# Altium PCB ultra.PcbDoc (part 6 of 9)
Units mm, origin at the board's own origin, x right, y up, seen from the top; angles counter-clockwise.
Board outline 210 x 210 mm, 2 copper layers (Top Layer, Bottom Layer), stack 1.591 mm thick; 722 components, 1083 nets, 2232 pads, 1540 vias.
Unrouted connection lines stored in the file: 21.
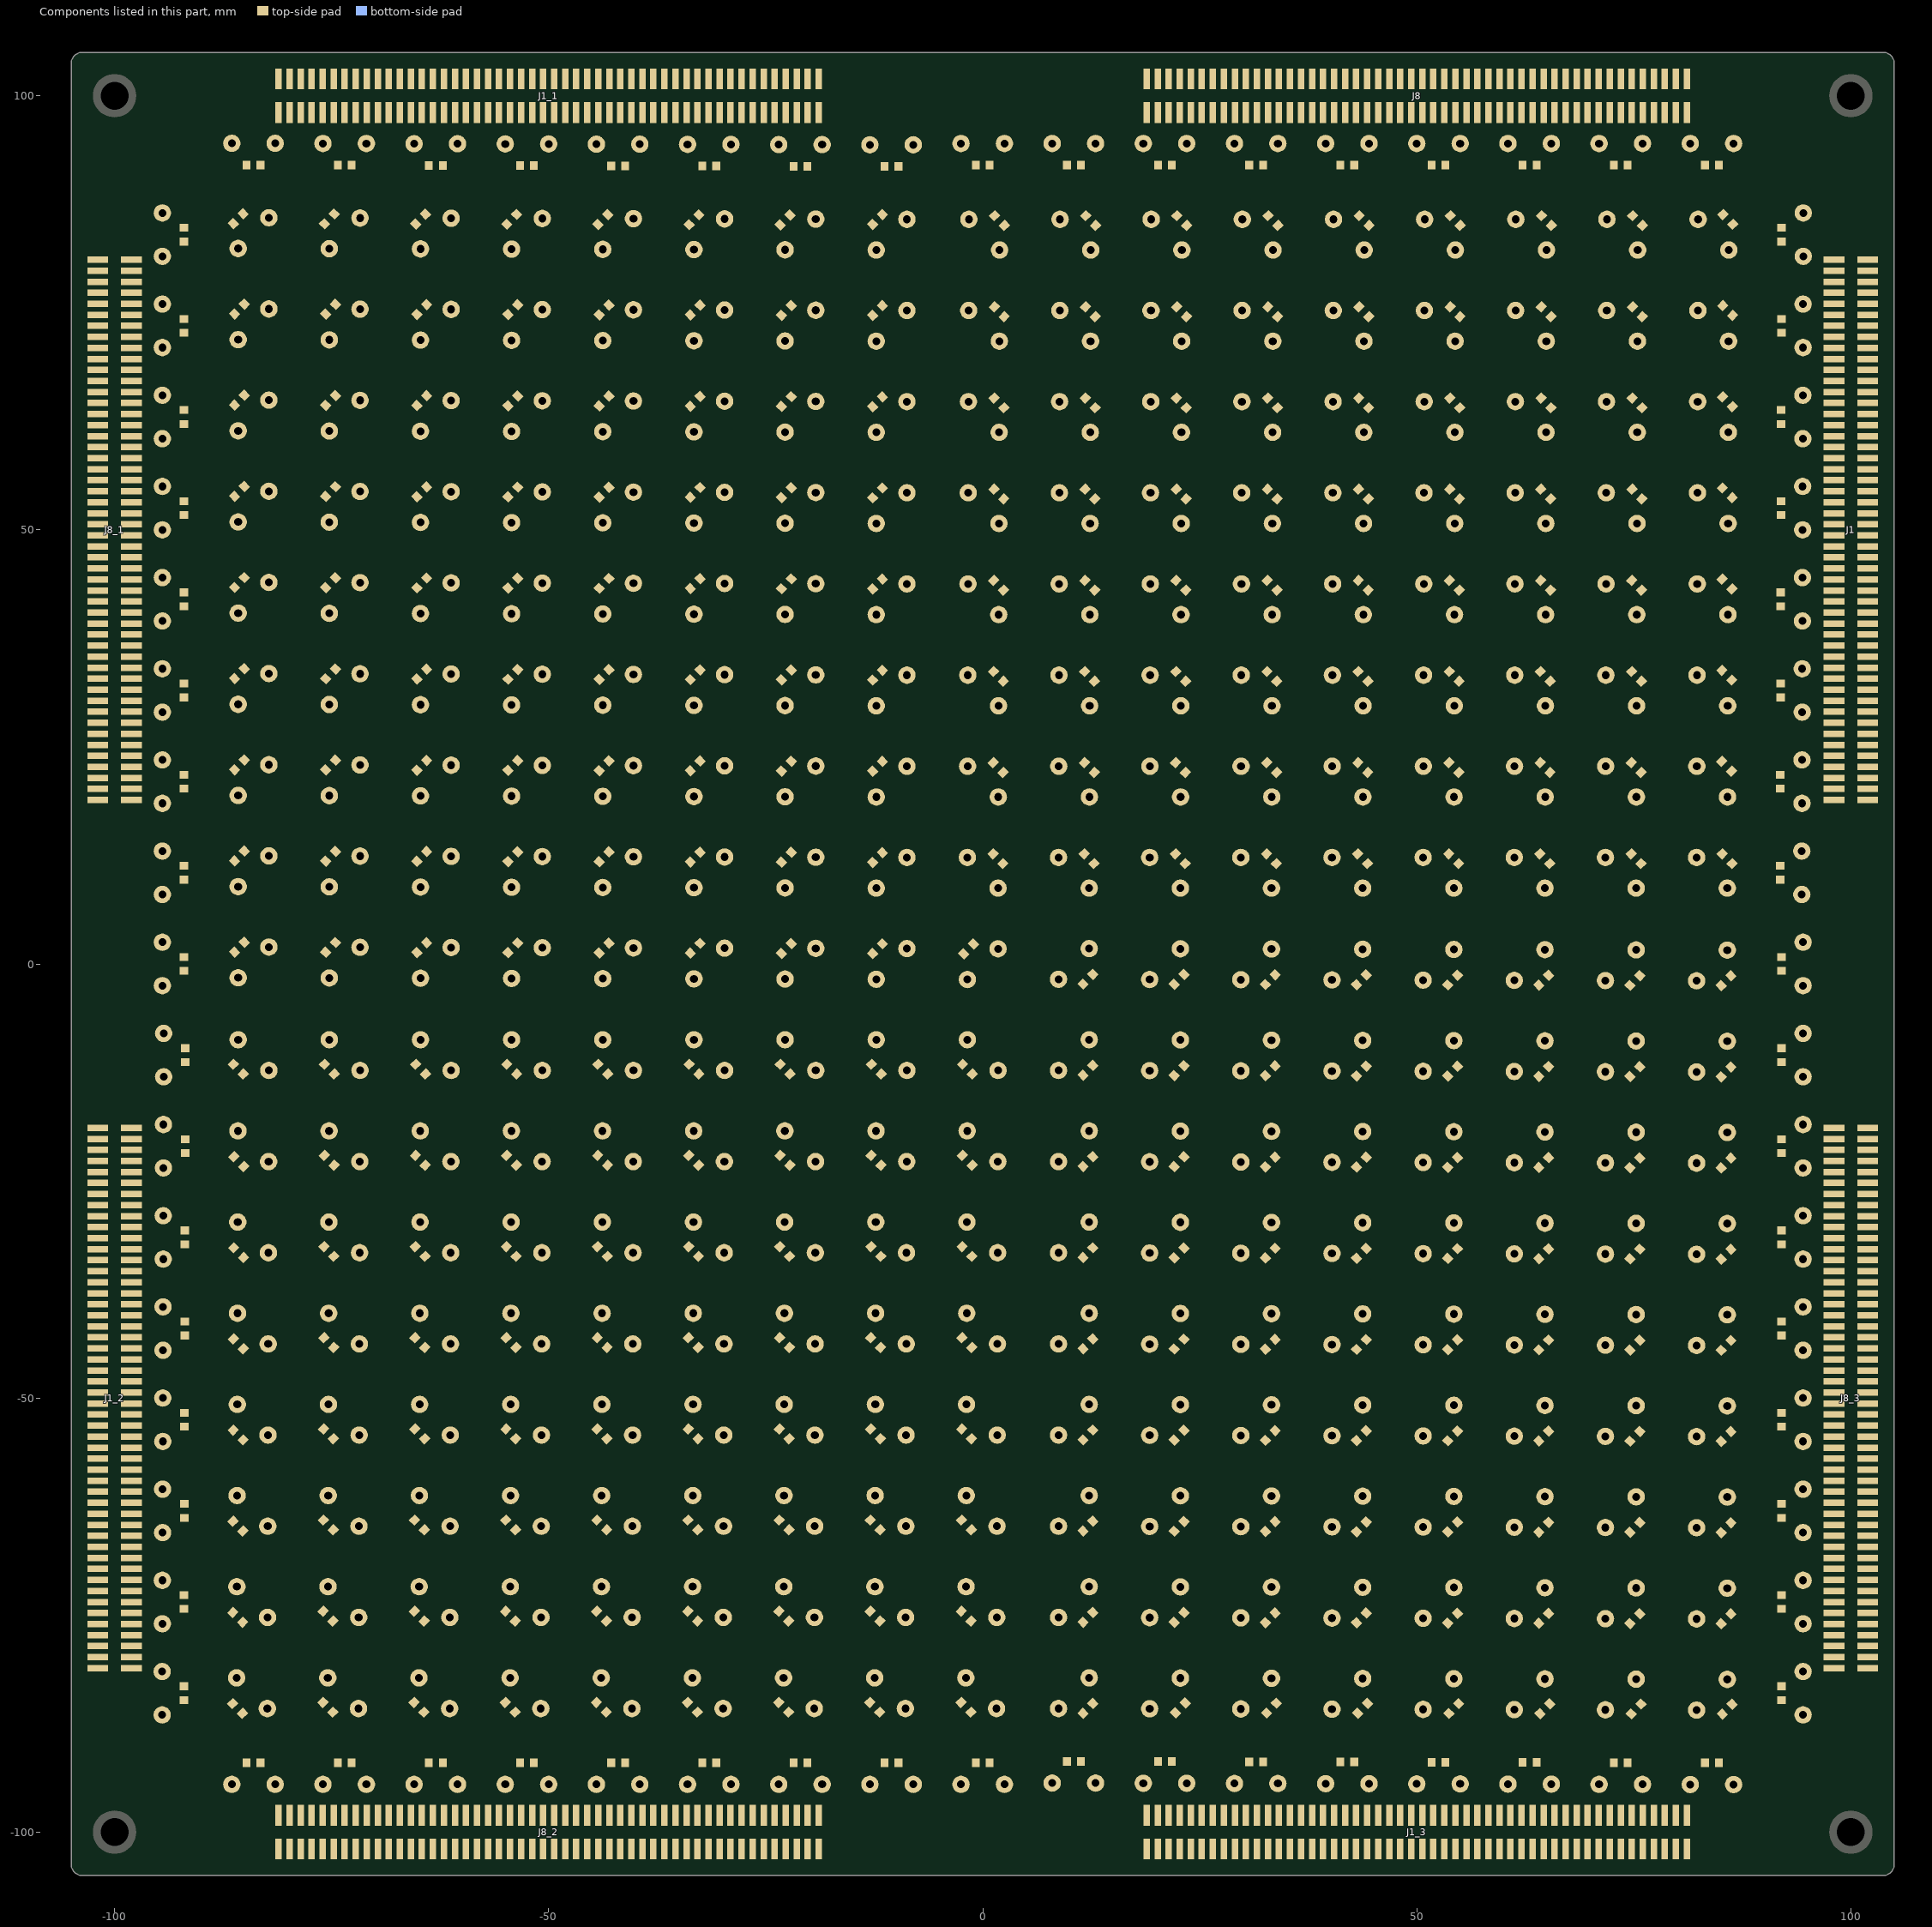
[diagram p6: the components of this part, seen from the top]

## Via types
v1: diameter 0.6, hole 0.3, Top Layer to Bottom Layer, tented both sides, 784 vias
v2: diameter 0.8, hole 0.4, Top Layer to Bottom Layer, tented both sides, 756 vias

## Nets (pads, with @x,y where several pads share a name; then routed paths per layer and width w, separated by ;. In a path a pad name is that pad's centre, name@x,y a point inside that pad or via, vN(x,y) a via of type N, cw(c..) or ccw(c..) an arc to the next point about the centre after c; other vN are vias at no path point) (continued)
copper on no net: (continued)
  Top Layer w0.5: v2(-103.962,-30.455) -103.937,-30.429 -103.48,-30.429 -103.365,-30.315 -101.95,-30.315 ; v2(-103.683,-70.307) -103.632,-70.358 -103.632,-68.605 -103.442,-68.415 -101.95,-68.415 ; v2(-103.454,-58.242) -103.441,-58.255 -101.95,-58.255 ; v2(-102.667,-84.43) -102.667,-82.534 -103.55,-81.651 -103.55,-79.309 -103.316,-79.075 -103.193,-79.075 -102.693,-78.575 -101.95,-78.575 ; -101.95,-77.305 -100.241,-77.305 -100.203,-77.343 -100.051,-77.343 v2(-100.025,-77.318) ; -101.95,-76.035 -100.063,-76.035 v2(-100.051,-76.048) ; -101.95,-74.765 -99.936,-74.765 -99.974,-74.727 v2(-100.051,-74.727) ; -101.95,-73.495 -100.089,-73.495 v2(-100.051,-73.533) ; -101.95,-72.225 -100.165,-72.225 -100.076,-72.314 v2(-100.051,-72.314) ; -101.95,-70.955 -100.139,-70.955 -100.101,-70.993 v2(-100.025,-70.993) ; -101.95,-69.685 -100.876,-69.685 -100.609,-69.952 -99.873,-69.952 v2(-99.873,-70.028) ; -101.95,-67.145 -101.206,-67.145 -100.706,-66.645 -100.584,-66.645 -100.386,-66.446 v2(-100.152,-66.446) ; -101.95,-65.875 -101.054,-65.875 -100.635,-65.456 -99.822,-65.456 v2(-99.822,-65.405) ; -101.95,-64.605 -100.114,-64.605 -100.025,-64.516 v2(-100.025,-64.287) ; -101.95,-63.335 -100.063,-63.335 v2(-100.051,-63.322) ; -101.95,-62.065 -99.987,-62.065 v2(-99.974,-62.078) ; -101.95,-60.795 -100.139,-60.795 v2(-100.051,-60.884) ; -101.95,-59.525 -100.089,-59.525 -99.949,-59.665 v2(-99.949,-59.919) ; -101.95,-56.985 -100.8,-56.985 v2(-99.974,-56.159) ; -101.95,-54.445 -100.089,-54.445 -100.051,-54.483 v2(-99.949,-54.381) ; -101.95,-53.175 -100.038,-53.175 v2(-100,-53.137) ; -101.95,-51.905 -99.987,-51.905 v2(-99.974,-51.892) ; -101.95,-50.635 -100.063,-50.635 v2(-100.025,-50.673) ; -101.95,-49.365 -102.45,-49.865 -103.316,-49.865 -104.496,-51.045 -104.496,-83.922 -98.766,-89.652 -88.991,-89.652 v2(-87.655,-88.316) ; -101.95,-48.095 -100.063,-48.095 v2(-100.051,-48.108) ; -101.95,-46.825 -99.962,-46.825 -100.025,-46.889 v2(-100.025,-47.117) ; -101.95,-45.555 -100.012,-45.555 -99.974,-45.517 v2(-99.974,-45.136) ; -101.95,-44.285 -100.089,-44.285 -100.025,-44.221 v2(-100.025,-43.917) ; -101.95,-43.015 -99.987,-43.015 v2(-99.924,-42.951) ; -101.95,-39.205 -100.495,-39.205 -99.974,-38.684 v2(-99.974,-38.786) ; -101.95,-37.935 -100.394,-37.935 -100.203,-37.744 -99.974,-37.744 v2(-99.924,-37.795) ; -101.95,-36.665 -100.114,-36.665 v2(-99.949,-36.83) ; -101.95,-35.395 -100.19,-35.395 -100.127,-35.331 -99.974,-35.484 v2(-99.974,-35.865) ; -101.95,-34.125 -100.165,-34.125 -100.101,-34.188 v2(-100.101,-34.011) ; -101.95,-32.855 -100.038,-32.855 v2(-100,-32.893) ; -101.95,-31.585 -100.343,-31.585 -100.279,-31.648 -100,-31.648 v2(-99.974,-31.623) ; -101.95,-29.045 -100.419,-29.045 -100.305,-29.159 -100.076,-29.159 v2(-100.051,-29.134) ; -101.95,-27.775 -100.012,-27.775 v2(-100,-27.788) ; -101.95,-26.505 -100.089,-26.505 v2(-100.076,-26.492) ; -101.95,-25.235 -100.114,-25.235 v2(-99.974,-25.095) ; -101.95,-23.965 -100.089,-23.965 -100,-23.876 -100.025,-23.851 v2(-100.025,-23.825) ; -101.95,22.695 -100.775,22.695 -100.35,22.27 -100.35,3.297 -95.085,-1.968 ; -101.95,30.315 -101.283,30.315 v2(-101.27,30.302) ; -101.95,32.855 -100.267,32.855 -100.178,32.766 -100.152,32.766 v2(-100,32.918) ; -101.95,34.125 -100.266,34.125 -100.254,34.138 -100,34.138 v2(-99.974,34.112) ; -101.95,35.395 -100.063,35.395 v2(-100.051,35.382) ; -101.95,36.665 -100.012,36.665 v2(-100,36.678) ; -101.95,37.935 -100.19,37.935 v2(-100.076,37.821) ; -101.95,39.205 -100.038,39.205 v2(-100.025,39.218) ; -101.95,43.015 -100.14,43.015 -100.127,43.002 -99.949,43.002 v2(-99.924,43.028) ; -101.95,44.285 -100.038,44.285 -100.025,44.298 v2(-100.025,44.628) ; -101.95,45.555 -100.292,45.555 -100.203,45.644 v2(-100.076,45.644) ; -101.95,46.825 -100.038,46.825 v2(-99.974,46.888) ; -101.95,48.095 -101.155,48.095 v2(-101.143,48.108) ; -101.95,49.365 -100.292,49.365 v2(-100.254,49.403) ; -101.95,50.635 -100.927,50.635 -100.813,50.521 -100.813,50.648 v2(-100.762,50.597) ; -101.95,51.905 -101.283,51.905 v2(-101.244,51.867) ; -101.95,54.445 -100.165,54.445 -100.152,54.432 -100.051,54.534 v2(-100.051,54.585) ; -101.95,55.715 -100.241,55.715 -100.228,55.702 -100.101,55.702 v2(-100.051,55.753) ; -101.95,56.985 -100.139,56.985 -100.127,56.998 v2(-100.178,56.998) ; -101.95,58.255 -100.216,58.255 -100.051,58.09 v2(-100.051,58.039) ; -101.95,59.525 -100.012,59.525 v2(-100,59.538) ; -101.95,60.795 -100.165,60.795 v2(-100.127,60.833) ; -101.95,62.065 -100.063,62.065 v2(-100.051,62.052) ; -101.95,63.335 -100.063,63.335 -100,63.398 v2(-100,63.652) ; -101.95,64.605 -100.038,64.605 v2(-100,64.643) ; -101.95,65.875 -100.241,65.875 -100.203,65.913 v2(-100.051,65.913) ; -101.95,67.145 -100.114,67.145 -100.076,67.183 v2(-100.076,67.513) ; -101.95,68.415 -100.089,68.415 -100.076,68.402 -100.025,68.453 v2(-100.025,68.529) ; -101.95,69.685 -100.139,69.685 v2(-100.076,69.748) ; -101.95,70.955 -100.089,70.955 v2(-100.025,71.018) ; -101.95,72.225 -100.038,72.225 v2(-100,72.263) ; -101.95,73.495 -100.368,73.495 -99.898,73.965 v2(-99.847,73.965) ; -101.95,74.765 -100.851,74.765 v2(-100.051,75.565) ; -101.95,76.035 -100.952,76.035 -99.974,77.013 v2(-99.974,77.902) ; -101.95,77.305 -103.111,77.305 -103.55,77.744 -103.55,81.651 -97.301,87.9 -93.158,87.9 -91.008,85.75 -91.008,84.125 -82.042,75.159 ; -101.95,78.575 -100.851,78.575 -100.3,79.126 -100.3,81.92 -97.917,84.303 v2(-95.834,84.303) ; -101.295,-41.681 v2(-100.025,-41.681) ; v2(-100.203,-69.063) -99.555,-68.415 -98.05,-68.415 ; v2(-100.178,-57.785) -99.746,-58.217 -98.05,-58.217 ; v2(-99.974,28.854) -99.784,29.045 -98.05,29.045 ; v2(-99.924,31.572) -98.063,31.572 -98.05,31.585 ; v2(-99.898,52.857) -99.898,53.137 -99.86,53.175 -98.05,53.175 ; -98.05,-78.575 -99.555,-78.575 -99.568,-78.562 -99.847,-78.842 -99.847,-86.106 -96.952,-89.002 -90.17,-89.002 -86.246,-85.077 ; -98.05,-77.305 -96.685,-77.305 -91.64,-82.35 -91.359,-82.35 -89.864,-83.845 -81.788,-83.845 -76.098,-78.156 -76.098,-75.006 ; -98.05,-76.035 -97.015,-76.035 -92.583,-80.467 -85.728,-80.467 -84.445,-81.75 -84.445,-81.854 -84.419,-81.879 -84.316,-81.879 -84.127,-82.068 -84.127,-82.109 -83.278,-82.959 -82.076,-82.959 -78.395,-79.277 -78.395,-75.123 -76.756,-73.485 -75.364,-73.485 -75.336,-73.457 -74.905,-73.457 -65.476,-64.028 ; -98.05,-74.765 -98.05,-74.6 -93.65,-74.6 -88.432,-79.817 -85.459,-79.817 -83.477,-81.799 -83.477,-81.84 -83.008,-82.309 -82.346,-82.309 -79.045,-79.008 -79.045,-74.854 -77.067,-72.876 -77.067,-71.401 -75.998,-70.332 -72.923,-70.332 -66.52,-63.929 -66.52,-63.926 -65.459,-62.865 -64.262,-62.865 -55.105,-53.708 ; -98.05,-73.495 -95.39,-73.495 v2(-95.377,-73.508) ; -98.05,-72.225 -98.05,-72.4 -94.986,-72.4 v2(-94.336,-73.05) ; -98.05,-70.955 -96.609,-70.955 -96.241,-71.323 v2(-96.241,-71.577) ; -98.05,-69.685 -98.05,-69.6 -90.115,-69.6 -86.462,-73.254 -82.906,-73.254 v2(-81.407,-71.755) ; -98.05,-67.145 -96.837,-67.145 -95.174,-68.809 -89.332,-68.809 v2(-87.986,-70.155) ; -98.05,-65.875 -97.091,-65.875 -94.818,-68.148 -86.432,-68.148 -86.233,-68.348 -80.184,-68.348 -76.162,-64.325 ; -98.05,-64.605 -97.184,-64.605 -96.45,-65.339 -96.45,-65.505 -94.457,-67.498 -86.163,-67.498 -85.964,-67.698 -80.931,-67.698 -76.175,-62.941 -72.542,-62.941 -65.638,-56.037 -65.638,-53.556 ; -98.05,-63.335 -94.577,-63.335 -91.064,-66.848 -85.894,-66.848 -85.694,-67.048 -81.201,-67.048 -77.942,-63.79 -77.942,-61.802 -75.973,-59.832 -73.045,-59.832 -65.697,-52.485 -63.153,-52.485 -54.94,-44.272 -54.94,-43.561 ; -98.05,-62.065 -96.38,-62.065 v2(-96.19,-61.874) ; -98.05,-60.795 -96.406,-60.795 v2(-96.393,-60.808) ; -98.05,-59.525 -95.48,-59.525 -95.055,-59.1 -93.895,-59.1 -93.191,-59.804 -86.5,-59.804 -86.473,-59.832 -85.313,-59.832 -84.137,-61.008 -84.137,-61.063 -83.811,-61.39 -80.959,-61.39 -78.102,-58.532 -73.583,-58.532 -66.918,-51.867 -66.918,-49.883 -65.28,-48.245 -60.751,-48.245 -56.886,-44.379 -56.886,-39.876 -55.192,-38.182 -52.787,-38.182 -45.218,-30.613 -45.218,-29.152 -44.398,-28.332 -41.515,-28.332 -34.747,-21.565 -34.747,-18.707 -33.873,-17.832 -29.542,-17.832 -23.294,-11.585 ; -98.05,-56.985 -96.456,-56.985 -95.606,-57.836 -94.234,-57.836 -92.915,-59.154 -85.071,-59.154 -83.494,-60.731 -83.342,-60.579 v2(-83.337,-60.579) ; -98.05,-55.715 -96.685,-55.715 -95.214,-57.186 -85.608,-57.186 -84.341,-55.918 -79.983,-55.918 -79.971,-55.931 -78.207,-55.931 -76.048,-53.772 ; -98.05,-54.445 -95.875,-54.445 -95.85,-54.47 -95.85,-55.58 -94.94,-56.49 -91.211,-56.49 -86.94,-52.218 -72.208,-52.218 -65.697,-45.707 -65.697,-43.307 ; -98.05,-53.175 -95.524,-53.175 -95.299,-52.95 -94.276,-52.95 -93.345,-52.019 -93.345,-52.095 v2(-93.396,-52.146) ; -98.05,-51.905 -96.431,-51.905 -96.139,-51.613 -96.139,-51.714 v2(-96.215,-51.791) ; -98.05,-50.635 -97.065,-50.635 -95.03,-48.6 -93.87,-48.6 -91.721,-50.749 -91.184,-50.749 -90.976,-50.957 -88.072,-50.957 -86.448,-49.332 -85.288,-49.332 -84.468,-50.152 -84.468,-50.303 -83.203,-51.568 -78.148,-51.568 -76.975,-50.395 -76.975,-50.254 -74.155,-47.434 -74.155,-45.897 -73.521,-45.263 -70.667,-45.263 -66.243,-40.838 -66.243,-39.652 -62.201,-35.611 -60.049,-35.611 -55.718,-31.28 -55.718,-29.152 -50.733,-24.168 -50.177,-24.168 -49.357,-23.348 -49.357,-22.817 -44.373,-17.832 -40.311,-17.832 -33.655,-11.176 ; -98.05,-49.365 -96.714,-49.365 -95.299,-47.95 -93.601,-47.95 -91.452,-50.099 -90.915,-50.099 -90.707,-50.307 -88.342,-50.307 -86.717,-48.682 -85.019,-48.682 -83.818,-49.883 -83.818,-50.033 -82.933,-50.918 -79.874,-50.918 v2(-79.045,-50.089) ; -98.05,-48.095 -96.363,-48.095 -95.568,-47.3 -93.332,-47.3 -91.182,-49.449 -90.646,-49.449 -90.438,-49.657 -88.611,-49.657 -86.986,-48.032 -84.749,-48.032 -83.168,-49.614 -83.168,-49.764 -82.664,-50.268 -80.143,-50.268 -79.845,-49.97 -79.845,-49.757 -79.376,-49.289 -78.713,-49.289 -78.245,-49.757 -78.245,-49.954 -78.135,-50.063 v2(-77.775,-50.063) ; -98.05,-46.825 -97.875,-46.65 -92.421,-46.65 -88.677,-42.906 -88.677,-41.087 -85.589,-37.998 -80.924,-37.998 -75.882,-43.041 ; -98.05,-45.555 -97.606,-45.999 -92.689,-45.999 -89.327,-42.637 -89.327,-40.818 -85.797,-37.287 -81.294,-37.287 -79.148,-35.141 -78.485,-35.141 -78.127,-35.499 -68.138,-35.499 -65.284,-32.645 ; -98.05,-44.285 -96.19,-44.285 -95.005,-43.1 -93.141,-43.1 -92.591,-43.65 -91.259,-43.65 -89.977,-42.368 -89.977,-40.548 -86.066,-36.637 -81.563,-36.637 -79.417,-34.491 -78.216,-34.491 -77.858,-34.849 -68.868,-34.849 -65.286,-31.267 -64.135,-31.267 -55.143,-22.276 ; -98.05,-43.015 -95.839,-43.015 -94.277,-41.453 -93.98,-41.453 -92.812,-40.284 v2(-92.812,-40.259) ; -98.05,-41.745 -96.152,-41.745 v2(-96.114,-41.707) ; -98.05,-40.475 -97.184,-40.475 -96.45,-39.741 -96.45,-39.545 -95.005,-38.1 -90.145,-38.1 v2(-89.992,-38.252) ; -98.05,-39.205 -97.092,-39.205 -95.337,-37.45 -93.112,-37.45 -88.87,-33.208 -88.87,-29.012 -87.803,-27.945 -80.437,-27.945 -75.849,-32.533 ; -98.05,-37.935 -96.741,-37.935 -95.606,-36.8 -93.382,-36.8 -89.52,-32.938 -89.52,-28.743 -88.072,-27.295 -70.551,-27.295 -65.596,-22.339 ; -98.05,-36.665 -96.39,-36.665 -95.875,-36.15 -93.651,-36.15 -90.17,-32.669 -90.17,-28.473 -88.341,-26.645 -72.238,-26.645 -66.573,-20.98 -65.151,-20.98 -64.999,-21.133 -64.44,-21.133 -54.839,-11.532 ; -98.05,-35.395 -98.05,-35.4 -93.82,-35.4 -93,-34.58 -93,-34.143 -92.497,-33.64 v2(-92.481,-33.655) ; -98.05,-34.125 -96.05,-34.125 -95.961,-34.036 v2(-95.961,-33.884) ; -98.05,-32.855 -95.314,-32.855 -93.599,-31.14 v2(-93.396,-31.14) ; -98.05,-31.585 -96.965,-31.585 v2(-95.936,-30.556) ; -98.05,-30.315 -97.041,-30.315 -95.8,-29.074 -95.8,-28.42 -94.888,-27.508 -92.685,-27.508 -90.82,-29.373 -90.82,-31.232 -91.63,-32.042 ; -98.05,-29.045 -97.184,-29.045 -96.45,-28.311 -96.45,-28.099 -95.21,-26.858 -90.993,-26.858 -86.293,-22.158 ; -98.05,-27.775 -97.066,-27.775 -95.499,-26.208 -92.553,-26.208 -87.224,-20.879 -85.014,-20.879 -75.757,-11.622 ; -98.05,-26.505 -96.715,-26.505 -95.769,-25.558 -93.325,-25.558 -91.973,-24.206 -91.973,-21.8 ; -98.05,-25.235 -96.38,-25.235 -95.783,-24.638 -95.783,-17.929 -94.955,-17.1 -91.776,-17.1 -86.278,-11.602 ; -98.05,-23.965 -96.711,-23.965 -96.433,-23.688 -96.433,-17.659 -95.224,-16.45 -93.336,-16.45 -91.923,-15.037 -91.923,-11.3 ; -98.05,22.695 -99.098,22.695 -99.65,22.143 -99.65,4.349 -94.615,-0.686 -91.796,-0.686 ; -98.05,23.965 -97.015,23.965 -96.012,22.962 -96.012,11.963 -92.888,8.839 -91.364,8.839 -85.192,2.667 ; -98.05,25.235 -93.144,25.235 -90.52,22.611 -90.52,10.74 -91.587,9.672 ; -98.05,26.505 -95.903,26.505 -95.479,26.081 -93.071,26.081 -89.87,22.88 -89.87,17.018 -88.646,15.794 -88.646,8.179 -86.487,6.02 -78.156,6.02 -74.583,2.447 ; -98.05,27.775 -96.253,27.775 -95.21,26.731 -92.801,26.731 -89.22,23.15 -89.22,17.287 -84.994,13.061 ; -98.05,30.315 -96.812,30.315 -95.9,29.403 -95.9,28.42 -94.861,27.381 -92.532,27.381 -88.57,23.419 -88.57,19.126 -85.827,16.383 -76.743,16.383 -76.51,16.15 -72.258,16.15 -68.519,12.41 -68.519,7.025 -63.999,2.506 ; -98.05,32.855 -96.254,32.855 -87.428,24.028 -84.963,24.028 -84.379,23.444 ; -98.05,34.125 -96.605,34.125 -93.265,30.785 -92.354,30.785 ; -98.05,35.395 -95.085,35.395 -95.08,35.4 -92.737,35.4 -90.708,33.371 -90.708,28.341 -87.965,25.599 -79.828,25.599 -78.628,24.399 -78.628,19.187 -76.241,16.8 -71.653,16.8 -71.552,16.698 -71.552,16.612 -67.869,12.929 -67.869,9.576 -64.541,6.248 -57.302,6.248 -53.517,2.463 ; -98.05,36.665 -96.403,36.665 -95.788,36.05 -92.468,36.05 -90.058,33.64 -90.058,28.611 -87.696,26.249 -79.426,26.249 -77.978,24.801 -77.978,19.456 -75.971,17.45 -68.605,17.45 -64.376,13.221 ; -98.05,37.935 -96.753,37.935 -95.518,36.7 -92.199,36.7 -89.408,33.909 -89.408,28.88 -87.427,26.899 -77.978,26.899 -74.554,23.475 ; -98.05,39.205 -96.835,39.205 -96.55,38.92 -96.55,38.651 -95.249,37.35 -88.353,37.35 -85.029,34.026 ; -98.05,40.475 -96.863,40.475 -96.558,40.17 -96.558,40.105 -96.089,39.637 -96.025,39.637 -95.9,39.512 -95.9,38.92 -95.08,38.1 -93.345,38.1 -91.973,39.472 -91.973,40.919 ; -98.05,41.745 -96.533,41.745 -95.758,40.97 -95.809,40.919 -95.758,40.869 v2(-95.758,40.437) ; -98.05,43.015 -96.66,43.015 -94.64,40.996 v2(-93.802,40.996) ; -98.05,44.285 -96.711,44.285 -94.45,42.024 -92.799,42.024 -92.786,42.012 ; -98.05,45.555 -97.605,46 -92.609,46 -88.646,42.037 -88.646,39.548 -86.741,37.643 -82.448,37.643 -82.398,37.694 -78.283,37.694 -74.559,33.97 ; -98.05,46.825 -97.875,46.65 -87.366,46.65 -85.242,44.526 ; -98.05,48.095 -96.413,48.095 -95.618,47.3 -93.382,47.3 -91.669,49.013 -91.669,49.068 -91.639,49.068 v2(-91.618,49.047) ; -98.05,49.365 -96.764,49.365 -95.349,47.95 -93.651,47.95 -92.45,49.151 -92.45,49.347 -91.949,49.847 -91.243,49.847 -88.7,47.305 -83.615,47.305 -77.968,41.658 -77.968,39.264 -76.386,37.682 -74.017,37.682 -67.468,31.133 -67.468,28.739 -65.886,27.157 -62.29,27.157 -56.318,21.185 -56.318,18.483 -55.117,17.282 -50.582,17.282 -47.498,14.199 -47.498,8.738 -44.92,6.159 -36.335,6.159 -32.741,2.565 ; -98.05,50.635 -96.634,50.635 -96.634,50.154 -95.08,48.6 -93.92,48.6 -93.1,49.42 -93.1,49.623 -92.225,50.497 -90.973,50.497 -88.452,47.976 -83.366,47.976 -77.318,41.927 -77.318,39.533 -76.117,38.332 -73.748,38.332 -66.818,31.402 -66.818,29.008 -65.617,27.807 -62.021,27.807 -55.668,21.454 -55.668,18.752 -54.848,17.932 -47.853,17.932 -42.647,12.725 ; -98.05,51.905 -96.965,51.905 -95.834,50.775 v2(-95.834,50.902) ; -98.05,54.445 -96.304,54.445 -94.386,52.527 -93.015,52.527 ; -98.05,55.715 -96.812,55.715 -96.192,56.335 -95.145,56.335 -95.08,56.4 -93.92,56.4 -93.855,56.335 -86.739,56.335 -85.433,55.029 ; -98.05,56.985 -97.985,57.05 -93.651,57.05 -93.586,56.985 -92.875,56.985 -91.262,58.598 v2(-91.161,58.598) ; -98.05,58.255 -96.073,58.255 -95.618,57.8 -93.212,57.8 -91.612,59.4 -88.802,59.4 -85.568,56.165 -81.494,56.165 -79.796,54.468 -79.796,50.15 -76.723,47.077 -70.856,47.077 -68.951,45.171 -68.951,39.482 -66.157,36.688 -50.256,36.688 -45.834,32.266 -45.834,31.342 -45.984,31.192 -45.984,27.417 v2(-45.872,27.305) v2@-45.796,27.229 ; -98.05,59.525 -96.424,59.525 -95.349,58.45 -93.481,58.45 -91.881,60.05 -88.533,60.05 -85.298,56.815 -81.225,56.815 -79.146,54.737 -79.146,50.419 -76.454,47.727 -70.587,47.727 -68.301,45.441 -68.301,39.751 -65.888,37.338 -49.987,37.338 -45.184,32.535 -45.184,28.116 -41.885,24.816 -41.885,22.276 -32.652,13.043 ; -98.05,60.795 -96.939,60.795 v2(-96.901,60.757) ; -98.05,62.065 -96.584,62.065 -95.9,61.381 -95.9,59.92 -95.08,59.1 -93.92,59.1 -92.372,60.649 -92.202,60.649 -92.151,60.7 -88.264,60.7 -85.029,57.465 -75.169,57.465 -73.579,55.875 -70.566,55.875 -67.468,52.777 -67.468,49.739 -65.938,48.209 v2(-65.938,44.755) ; -98.05,63.335 -94.651,63.335 -92.666,61.35 -87.995,61.35 -84.76,58.115 -74.9,58.115 -73.31,56.525 -70.297,56.525 -66.818,53.046 -66.818,50.008 -63.856,47.046 -63.856,44.399 ; -98.05,64.605 -96.584,64.605 -96.368,64.389 v2(-96.368,64.237) ; -98.05,65.875 -96.105,65.875 -95.08,66.9 -93.92,66.9 -92.895,65.875 -85.115,65.875 ; -98.05,67.145 -95.754,67.145 -95.349,67.55 -92.648,67.55 -89.504,70.694 -89.484,70.694 -89.306,70.872 v2(-89.306,70.891) ; -98.05,68.415 -97.935,68.3 -92.827,68.3 -90.106,71.02 -90.106,71.223 -89.638,71.691 -88.975,71.691 -88.506,71.223 -88.506,70.827 -86.78,69.101 -82.627,69.101 -81.177,67.651 -77.47,67.651 -76.922,68.199 -74.295,68.199 -74.289,68.205 -74.238,68.205 v2(-74.143,68.301) ; -98.05,69.685 -96.084,69.685 -95.349,68.95 -93.096,68.95 -90.756,71.29 -90.756,71.492 -89.907,72.341 -88.706,72.341 -87.856,71.492 -87.856,71.097 -86.51,69.751 -75.66,69.751 -75.578,69.832 -73.624,69.832 -66.818,63.026 -66.818,60.508 -64.486,58.176 -61.585,58.176 -59.095,55.687 -59.095,52.761 -54.199,47.864 -50.358,47.864 -47.157,44.663 -47.157,40.798 -44.617,38.257 -41.412,38.257 -36.769,33.614 -36.769,20.803 -33.848,17.882 -27.026,17.882 -22.301,13.157 ; -98.05,70.955 -96.435,70.955 -95.08,69.6 -93.365,69.6 -91.406,71.559 -91.406,71.761 -90.176,72.991 -88.437,72.991 -87.206,71.761 -87.206,71.366 -86.241,70.401 -75.929,70.401 -75.848,70.482 -73.354,70.482 -66.168,63.296 -66.168,60.777 -64.217,58.826 -61.316,58.826 -58.445,55.956 -58.445,53.03 -53.929,48.514 -50.089,48.514 -46.507,44.933 -46.507,41.067 -44.348,38.907 -41.142,38.907 -36.119,33.884 -36.119,26.873 -32.791,23.546 ; -98.05,72.225 -97.875,72.4 -93.584,72.4 v2(-93.116,71.933) ; -98.05,73.495 -96.304,73.495 v2(-96.266,73.533) ; -98.05,74.765 -96.253,74.765 v2(-96.164,74.854) ; -98.05,76.035 -97.066,76.035 -95.163,77.938 -91.603,77.938 -88.214,74.549 -87.884,74.549 v2(-87.808,74.473) ; -98.05,77.305 -97.041,77.305 -95.758,78.588 -87.63,78.588 -85.179,76.136 ; -98.05,78.575 -98.916,78.575 -99.65,79.309 -99.65,81.651 -98.09,83.21 -92,83.21 ; -94.525,-81.5 -93.725,-81.5 -92.025,-83.2 ; -94.5,-71 -93.269,-72.231 -93.269,-72.593 -93.269,-73.127 -92.048,-74.348 ; -94.5,2.5 -92.8,0.8 -92,0.8 ; -94.5,13 -92.8,11.3 -92,11.3 ; -94.5,23.5 -92.8,21.8 -92,21.8 ; -94.5,34 -92.8,32.3 -92,32.3 ; -94.5,44.5 -92.8,42.8 -92,42.8 ; -94.5,55 -92.8,53.3 -92,53.3 ; -94.5,65.5 -92.8,63.8 -92,63.8 ; -94.5,76 -92.8,74.3 -92,74.3 ; -94.5,86.5 -92.8,84.8 -92,84.8 ; -94.475,-60.5 -93.675,-60.5 -91.975,-62.2 ; -94.45,-50 -93.65,-50 -91.95,-51.7 ; -94.4,-29 -93.6,-29 -91.9,-30.7 ; -94.375,-18.5 -93.575,-18.5 -91.875,-20.2 ; -94.35,-8 -93.55,-8 -91.85,-9.7 ; v2(-93.853,-84.455) -93.472,-84.836 -92.025,-84.836 ; v2(-93.701,20.93) -92.989,20.218 -92.405,20.218 ; -93.675,-54.94 -91.694,-54.94 -89.662,-52.908 v2(-89.662,-52.73) ; -93.625,-39.5 -94.425,-39.5 -93.297,-39.5 -92.888,-39.091 -92.304,-39.091 -91.821,-39.573 -91.77,-39.624 -91.77,-41.2 ; v2(-93.066,50.825) -93.066,51.168 -92.697,51.537 -91.77,51.537 ; -92.24,-72.771 -92.24,-70.98 -91.618,-70.358 -90.653,-70.358 v2(-89.484,-71.526) ; -91.973,-63.525 -91.973,-64.091 -89.866,-66.198 -85.625,-66.198 -85.425,-66.398 -81.841,-66.398 -80.848,-65.405 -80.848,-63.932 -81.94,-62.84 v2(-83.566,-62.84) ; -91.796,-53.162 -90.24,-51.607 -89.363,-51.607 v2(-89.205,-51.765) ; -91.732,-42.685 -90.627,-41.58 -90.627,-40.279 -87.859,-37.51 v2(-87.859,-33.147) ; v2(-91.313,-60.604) -88.494,-60.604 -87.293,-61.805 -87.293,-61.812 -86.316,-62.789 -84.621,-62.789 -84.366,-62.534 -84.366,-62.508 -83.897,-62.04